# KiCad board PMK_Keyboard_HW01.kicad_pcb (continued)
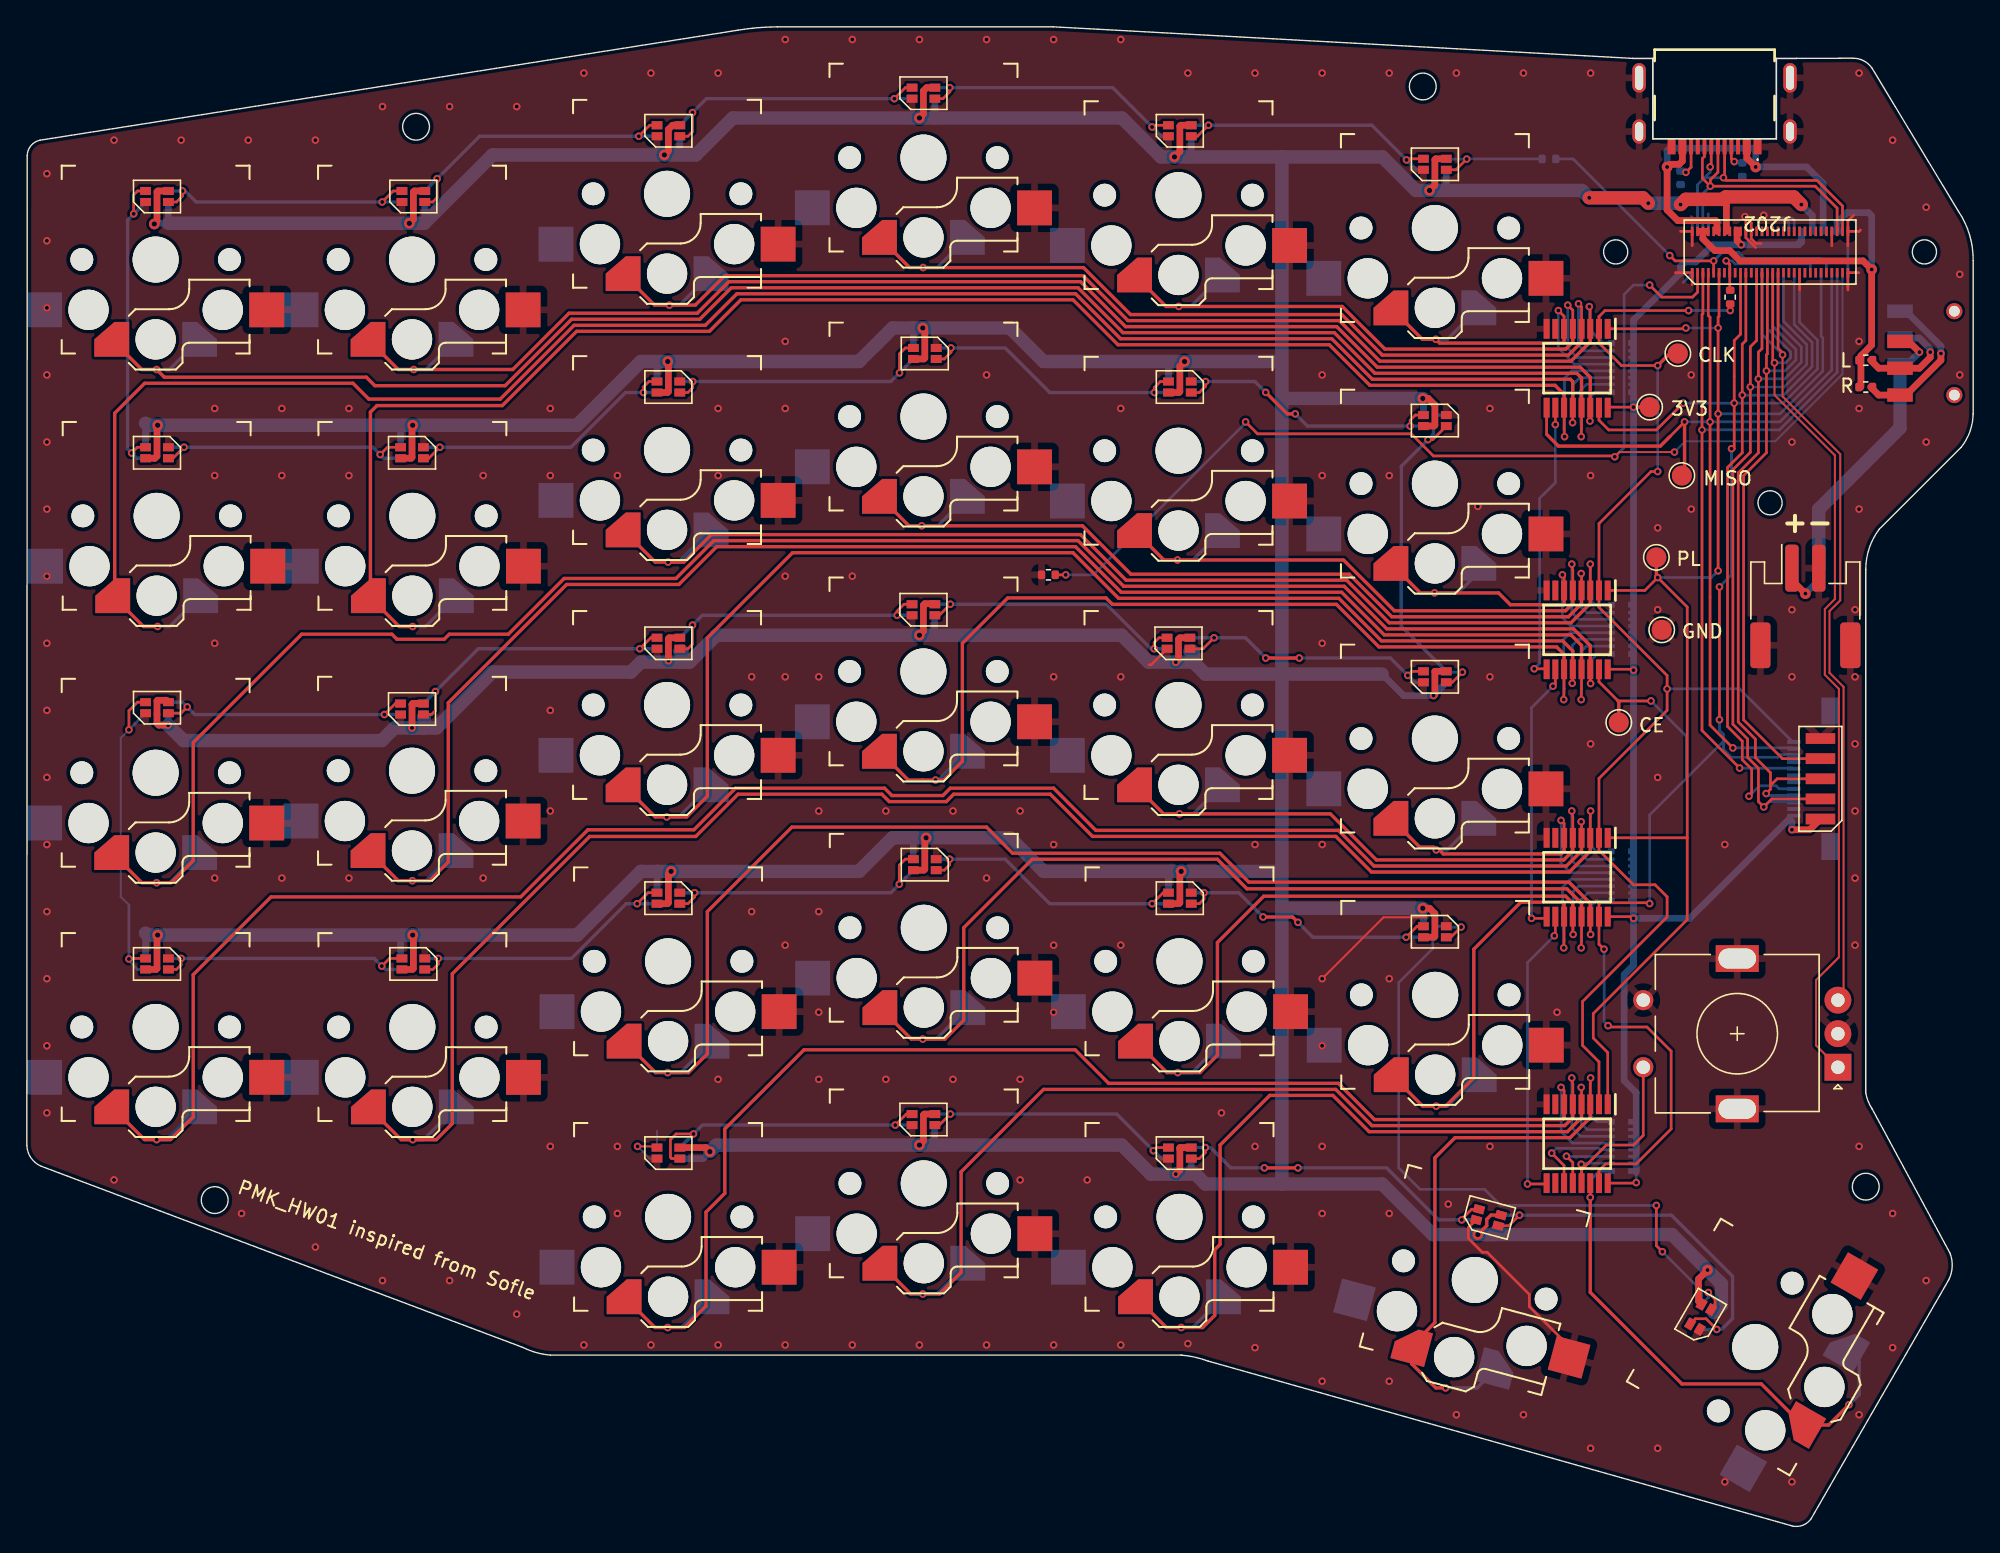
[diagram p0: board, top side]
## Routing (per net, layer and track width the routed paths; a pad name or vN(x,y) marks a point on that pad's centre or on a via; arc(x,y) is an arc through that point)
+3V3: length 112
  Top w0.2: v1(119.69,63.8) 119.63,63.87 U402.16 ; U401.16 117.81,83.4 v1(119.69,83.4) ; 127.51,96.5 127.51,95.71 v1(127.71,95.5) ; U404.16 119.86,25.57 v1(119.89,25.6) ; v1(119.69,45.3) 119.57,45.43 U403.16
  Top w0.25: TP201.1 v1(119.69,83.4)
  Top w0.5: 127.41,96.6 127.41,95.81 v1(127.71,95.5) ; v1(131.49,51.9) 132.82,51.9 J304.1
  Bottom w0.15: 131.66,95.5 132.06,95.91 132.06,96.51
  Bottom w0.2: v1(119.89,25.6) 119.89,26.7
  Bottom w0.5: v1(131.49,51.9) 131.49,52.5 131.29,52.71 123.88,45.3 v1(119.69,45.3) ; v1(119.69,45.3) 119.69,41.8 118.99,41.1 118.99,33.2 119.89,32.3 119.89,26.4 ; v1(119.69,45.3) v1(119.69,63.8) v1(119.69,83.4) 119.69,89.9 123.19,93.4 123.19,93.91 123.51,94.23 124.32,94.23 125.59,95.5 131.99,95.5 132.2,95.71 132.21,95.71 132.21,96.5
/VBAT: length 31.8
  Top w0.5: 124.86,96.51 124.86,95.96 125.74,95.08 126.86,95.08 127.63,94.3 136.79,94.3 v2(137.43,93.66) 137.43,88.03 136.63,87.23 136.63,84.9 ; 124.86,96.51 124.61,96.51 ; 124.86,96.51 125.11,96.51
  Bottom w0.5: 134.86,96.51 134.86,97.17 135.59,97.9 137.19,97.9 137.43,97.66 v2(137.43,93.66) ; 134.86,96.51 135.11,96.51 ; 134.86,96.51 134.61,96.51
GND: length 60.9
  Top w0.15: 104.27,45.38 101.07,45.38 v1(96.49,40.8)
  Top w0.2: 135.66,96.51 135.66,97.27 136.09,97.7 ; 135.66,96.51 135.66,95.44 ; 135.66,96.51 136.5,96.51 136.59,96.6 ; 134.46,96.51 134.46,95.44 ; D514.1 83.75,64.2 83.59,64.2 ; 124.06,92.54 124.06,93.43 122.82,93.43 ; 124.06,95.44 124.06,96.51 123.2,96.51 ; SW428.2 114.89,13.41 111.93,16.37 111.93,17.27 108.79,20.41 108.43,20.41 107.39,21.45 107.39,22.25 D526.1 ; 136.47,93.43 135.66,93.43 135.66,92.14 ; 128.79,95.3 128.06,96.04 128.06,97.54 v1(127.99,97.6) 128.46,97.14 128.46,95.96 128.81,95.6 129.19,95.6 ; 132.06,93.43 132.06,92.14
  Bottom w0.15: D529.1 46.94,29.45
  Bottom w0.2: 130.49,97.5 130.91,97.5 131.26,97.16 131.26,96.51 ; 124.06,92.57 124.06,93.43 124.06,93.37 123.39,92.7 ; 125.26,96.51 125.26,97.16 126.19,97.16 ; 125.26,96.51 125.26,97.06 ; 125.26,96.51 125.26,97.8 ; 135.66,93.43 135.66,92.27 ; 135.66,93.43 135.66,96.51 ; 135.66,93.43 136.37,93.43 ; 127.66,93.43 127.66,92.14 ; 131.66,96.51 131.66,97.34 131.49,97.5 ; 124.06,96.51 124.06,95.47 ; 124.06,96.51 124.06,97.54 123.99,97.6 ; 124.06,96.51 123.3,96.51
  vias: v1(1.49,100.8) v1(1.49,95.8) v1(1.49,90.8) v1(1.49,85.8) v1(1.49,80.8) v1(1.49,75.8) v1(1.49,70.8) v1(1.49,65.8) v1(1.49,60.8) v1(1.49,55.8) v1(1.49,50.8) v1(1.49,45.8) v1(1.49,40.8) v1(1.49,35.8) v1(1.49,30.8) v1(6.49,103.3) v1(6.49,25.8) v1(11.49,103.3) v1(13.99,83.3) v1(13.99,78.3) v1(13.99,65.8) v1(13.99,48.3) v1(15.99,23.3) v1(16.49,103.3) v1(18.99,83.3) v1(18.99,78.3) v1(18.99,48.3) v1(21.49,103.3) v1(21.49,20.8) v1(23.99,83.3) v1(23.99,78.3) v1(23.99,48.3) v1(26.49,105.8) v1(26.49,18.3) v1(31.49,105.8) v1(31.49,18.3) v1(33.99,78.3) v1(33.99,48.3) v1(36.49,105.8) v1(36.49,15.8) v1(38.99,83.3) v1(38.99,78.3) v1(38.99,60.8) v1(38.99,53.3) v1(38.99,28.3) v1(41.49,108.3) v1(41.49,13.5) v1(43.99,78.3) v1(43.99,28.3) v1(43.99,23.3) v1(46.49,108.3) v1(46.49,13.5) v1(51.49,108.3) v1(51.49,83.3) v1(51.49,78.3) v1(51.49,33.3) v1(51.49,13.5) v1(53.99,63.3) v1(53.99,45.8) v1(56.49,110.8) v1(56.49,88.3) v1(56.49,83.3) v1(56.49,70.8) v1(56.49,63.3) v1(56.49,43.3) v1(56.49,13.5) v1(58.99,63.3) v1(58.99,53.3) v1(58.99,45.8) v1(58.99,38.3) v1(58.99,33.3) v1(61.49,110.8) v1(61.49,70.8) v1(61.49,13.5) v1(63.99,53.3) v1(63.99,33.3) v1(66.49,110.8) v1(66.49,13.5) v1(68.99,53.3) v1(68.99,33.3) v1(71.49,110.8) v1(71.49,85.8) v1(71.49,48.3) v1(71.49,13.5) v1(73.99,53.3) v1(73.99,33.3) v1(73.99,25.8) v1(76.49,110.8) v1(76.49,63.3) v1(76.49,50.8) v1(76.49,43.3) v1(76.49,38.3) v1(76.49,13.5) v1(78.99,25.8) v1(81.49,110.8) v1(81.49,83.3) v1(81.49,63.3) v1(81.49,43.3) v1(81.49,13.5) v1(86.49,108.3) v1(86.49,13.6) v1(88.99,30.8) v1(91.49,108.3) v1(91.49,50.8) v1(91.49,28.3) v1(91.49,13.3) v1(96.49,108.3) v1(96.49,85.8) v1(96.49,78.3) v1(96.49,65.8) v1(96.49,50.8) v1(96.49,35.8) v1(96.49,28.3) v1(96.49,23.3) v1(96.49,10.8) v1(101.49,108.3) v1(101.49,78.3) v1(101.49,40.8) v1(101.49,23.3) v1(101.49,10.8) v1(105.89,24) v1(106.49,108.3) v1(106.49,8.3) v1(108.09,76) v1(108.99,83.3) v1(108.99,63.3) v1(108.99,28.3) v1(111.49,108.3) v1(111.49,8.3) v1(113.99,38.3) v1(116.49,108.3) v1(116.49,78.3) v1(116.49,58.3) v1(116.49,5.8) v1(121.49,74.4) v1(121.49,68.3) v1(121.49,55.8) v1(121.49,5.8) v1(123.99,85.8) v1(123.99,75.8) v1(126.49,50.8) v1(126.49,3.3) v1(129.39,97.7) v1(131.49,80.8) v1(131.49,68.3) v1(131.49,63.3) v1(131.49,3.3) v1(136.19,68.3) v1(136.19,63.3) v1(136.19,58.3) v1(136.19,53.3) v1(136.19,48.3) v1(136.19,43.3) v1(136.49,108.3) v1(136.49,88.3) v1(136.49,83.3) v1(136.49,75.8) v1(136.49,28.3) v1(136.49,8.3) v1(138.99,103.3) v1(138.99,23.3) v1(138.99,13.3) v1(141.49,98.3) v1(141.49,80.8) v1(141.49,18.3) v1(143.99,93.3) v1(143.99,85.8)
VBUS: length 30.4
  Top w0.5: 125.91,96.5 125.91,97.21 125.81,97.31 122.99,97.31 122.19,98.1 v2(122.19,101.3) 122.39,101.5 123.09,101.5 123.33,101.75 J303.A9 ; v2(128.79,101.3) 128.13,101.97 J303.A4
  Bottom w0.5: v2(122.19,101.3) 122.19,102.5 122.39,102.7 128.59,102.7 128.79,102.5 v2(128.79,101.3) 132.59,101.3 133.81,100.09 133.81,96.5
VDD: length 724.4
  Top w0.25: v3(108.09,21.74) 108.76,22.4 108.76,22.87 109.07,23.18 D526.2
  Top w0.5: 126.61,96.5 126.61,98.49 126.59,98.5 ; v3(50.88,27.91) 50.58,28.21 D529.2 ; v1(10.52,59.7) 9.83,59.7 9.69,59.84 9.69,61.5 9.74,61.55 10.4,61.55 D518.2 ; v3(47.99,48.8) 47.79,48.6 47.79,46.46 47.72,46.39 D521.2 ; D513.2 104.9,63.71 104.89,63.7 104.89,62 v1(104.79,61.9) ; v3(47.74,86.8) 47.79,86.75 47.79,84.56 47.72,84.49 D509.2 ; 28.69,61.25 28.75,61.31 D517.2 28.76,61.31 28.69,61.24 v1(28.69,59.49) ; D525.2 124.54,16.78 124.54,18.42 v2(125.21,19.09) ; D502.2 85.96,104.41 85.89,104.34 85.89,102.45 v3(85.49,102.05) ; v1(85.59,64.39) 85.79,64.59 85.79,66.1 85.9,66.21 D514.2 ; 85.89,28.2 85.9,28.21 D527.2 85.96,28.21 85.89,28.14 85.89,26.54 v1(85.59,26.24) ; D528.2 66.86,30.71 66.79,30.64 66.79,28.7 v3(66.49,28.4) ; v3(28.49,97.1) 28.79,97.4 28.79,99.44 28.86,99.51 D505.2 ; v3(85.99,48.8) 85.89,48.7 85.89,46.46 85.82,46.39 D523.2 ; D519.2 9.62,41.49 9.69,41.56 9.69,44 v3(9.74,44.05) ; D508.2 28.62,79.59 28.69,79.66 28.69,82 v3(28.74,82.05) ; D512.2 104.82,81.99 104.89,82.06 104.89,83.56 104.4,84.05 v3(103.99,84.05) ; v3(66.49,66.4) 66.79,66.7 66.79,68.64 66.9,68.75 67.6,68.75 D515.2 ; v3(66.49,104.95) 66.79,105.25 66.79,106.98 67.03,107.21 D503.2 ; v3(103.99,46.05) 104.49,46.05 104.89,45.65 104.89,43.96 104.82,43.89 D524.2 ; v3(66.99,51.3) 66.89,51.2 66.89,48.96 66.82,48.89 D522.2 ; D504.2 48.1,104.41 47.79,104.1 47.79,102.5 v3(47.49,102.2) ; v3(9.49,97.05) 9.69,97.25 9.69,99.44 9.76,99.51 D506.2 ; D501.2 104.96,101.91 104.89,101.84 104.89,99.95 v3(104.49,99.55) ; D511.2 85.82,84.49 85.89,84.56 85.89,86.45 v3(86.24,86.8) ; v1(47.79,64.5) 47.79,66.14 47.86,66.21 D516.2 ; D520.2 28.72,41.49 28.79,41.56 28.79,44 v3(28.74,44.05) ; v3(66.74,89.3) 66.89,89.15 66.89,87.06 66.82,86.99 D510.2 ; D507.2 9.53,79.59 9.69,79.75 9.69,82 v3(9.74,82.05)
  Top w1: v2(123.19,98.5) 123.58,98.89 126.41,98.89 126.41,98.92 126.56,99.07 131.63,99.07 v2(132.19,98.5) ; v2(116.39,99) 120.39,99 v2(120.79,98.6)
  Bottom w0.5: v1(10.52,59.7) 10.52,60.57 D518.2 ; 8.84,42.41 8.84,44.2 ; 27.99,44.05 27.84,43.9 27.84,42.41 ; 46.99,48.8 46.94,48.75 46.94,47.31 ; 100.96,63.5 102.56,61.9 v1(104.79,61.9) 104.79,61.94 D513.2 ; 67.62,66.4 67.62,67.87 D515.2 ; 87.06,26.24 86.74,26.55 D527.2 ; D506.2 10.54,97.1 9.54,97.1 v3(9.49,97.05) ; 104.04,44.81 104.04,46 v3(103.99,46.05) ; v3(50.88,27.91) 50.36,27.39 D529.2 ; D508.2 27.84,81.9 27.99,82.05 ; D501.2 105.74,99.55 ; D503.2 67.64,104.95 ; D511.2 85.04,86.6 85.24,86.8 ; 85.04,47.31 85.04,48.6 85.24,48.8 ; 65.99,51.3 66.04,51.25 66.04,49.81 ; D512.2 104.04,84 v3(103.99,84.05) ; D502.2 86.74,102.05 ; 46.99,86.8 46.94,86.75 D509.2 ; 67.62,29.84 67.62,28.4 ; D505.2 29.64,97.15 ; 29.62,60.41 D517.2 ; D507.2 8.84,82.2 ; 65.99,89.3 66.04,89.25 D510.2 ; 133.01,96.5 133.01,97.69 v2(132.19,98.5) ; 48.62,65.37 D516.2 ; D504.2 48.64,102.2
  Bottom w1: 108.74,21.74 109.26,21.74 109.61,22.09 ; 108.74,21.74 v3(108.09,21.74) 104.73,21.74 100.96,25.5 93.49,25.5 ; 108.74,21.74 122.56,21.74 v2(125.21,19.09) 126.24,18.05 126.24,16.48 125.69,15.92 ; v3(103.99,46.05) 93.49,46.05 ; 93.49,46.05 93.49,25.5 ; 93.49,46.05 93.49,102.05 ; 93.49,25.5 87.79,25.5 87.06,26.24 v1(85.59,26.24) 83.73,26.24 81.56,28.4 v3(66.49,28.4) 51.37,28.4 v3(50.88,27.91) ; 93.44,48.8 v3(85.99,48.8) 75.74,48.8 73.24,51.3 v3(66.99,51.3) 64.49,51.3 61.99,48.8 v3(47.99,48.8) 45.74,48.8 40.99,44.05 v3(28.74,44.05) v3(9.74,44.05) 8.99,44.05 8.84,44.2 ; 86.9,64.39 87.79,63.5 100.96,63.5 ; 86.9,64.39 86.9,65.13 86.82,65.21 86.64,65.21 ; 86.9,64.39 v1(85.59,64.39) 83.57,64.39 81.56,66.4 v3(66.49,66.4) 51.37,66.4 49.36,64.39 48.79,64.39 ; 93.49,102.05 100.98,102.05 103.48,99.55 v3(104.49,99.55) 115.84,99.55 v2(116.39,99) ; 93.49,102.05 v3(85.49,102.05) 84.48,102.05 81.58,104.95 v3(66.49,104.95) 52.59,104.95 49.84,102.2 v3(47.49,102.2) 34.69,102.2 29.59,97.1 v3(28.49,97.1) 10.54,97.1 ; 29.59,59.49 29.59,60.31 29.54,60.31 ; 29.59,59.49 27.38,59.49 26.44,58.55 11.67,58.55 v1(10.52,59.7) ; 29.59,59.49 30.51,59.49 34.67,63.65 44.99,63.65 45.73,64.39 48.79,64.39 ; 29.59,59.49 v1(28.69,59.49) ; 48.79,64.39 48.79,65.21 48.64,65.21 ; v2(123.19,98.5) 123.09,98.6 v2(120.79,98.6) ; v3(103.99,84.05) 93.54,84.05 ; 8.84,82.2 8.99,82.05 v3(9.74,82.05) v3(28.74,82.05) 40.99,82.05 45.74,86.8 v3(47.74,86.8) 61.99,86.8 64.49,89.3 v3(66.74,89.3) 73.24,89.3 75.74,86.8 v3(86.24,86.8) 93.44,86.8
/200- PSoM/A: length 72.9
  Top w0.127: 134.69,42.1 134.98,42.39
  Top w0.15: v1(130.19,86.7) 130.19,84.31 134.69,79.81 134.69,69.1 133.94,68.35 133.94,63.45 134.99,62.41 134.99,42.4 134.09,41.5 ; SW430.A 133.29,35.83 133.29,40.7 134.09,41.5 ; 134.69,42.1 134.09,41.5
  Top w0.2: v1(130.19,86.7) 130.06,86.84 130.06,93.43
  Bottom w0.2: v1(130.19,86.7) 131.01,86.7 131.39,87.08 131.39,87.53 129.81,89.1 129.79,89.1 129.66,89.24 129.66,93.43
/200- PSoM/B: length 63.8
  Top w0.15: v1(130.79,87.3) 130.79,84.2 135.09,79.9 135.09,69 134.29,68.2 134.29,63.6 135.34,62.55 135.34,39.63 SW430.B
  Top w0.2: 130.46,93.43 130.46,87.8 130.79,87.47 v1(130.79,87.3)
  Bottom w0.2: 129.26,93.43 129.26,88.84 v1(130.79,87.3)
/200- PSoM/BATTERY_TEMP: length 95.5
  Top w0.15: v1(122.74,80.05) 118.64,80.05 v1(118.29,79.7)
  Top w0.2: v1(120.89,92.5) 121.79,91.6 124.09,91.6 124.46,91.97 124.46,93.43 ; TH201.1 v1(77.39,70.9) ; v1(118.29,79.7) 118.23,79.77 104.78,79.77 103.13,81.41 91.68,81.41 v1(90.79,82.3)
  Bottom w0.15: v1(122.74,80.05) 123.55,80.86 130.25,80.86 135.26,85.88 135.26,93.43
  Bottom w0.2: TH202.1 v1(77.39,70.9) 79.46,70.9 90.79,82.24 v1(90.79,82.3) ; v1(118.29,79.7) 118.99,80.4 118.99,91.8 119.69,92.5 v1(120.89,92.5)
/200- PSoM/D+: length 21.8
  Top w0.2: 134.86,96.51 134.86,98.24 133.23,99.87 v1(125.42,99.87) ; v1(125.42,99.87) 125.42,100.35 125.98,100.91 J303.A6 ; v1(125.42,99.87) 124.82,100.47 124.82,101.93 124.98,102.09 J303.B6
  Bottom w0.2: v1(125.42,99.87) 124.86,99.32 124.86,96.51
/200- PSoM/D-: length 22.1
  Top w0.2: v1(125.4,101.3) 125.48,101.38 J303.A7 ; J303.B7 126.48,100.59 v1(126.39,100.5) 126.59,100.3 133.36,100.3 135.26,98.4 135.26,96.51
  Bottom w0.2: 124.99,100.5 125.4,100.91 v1(125.4,101.3) ; 124.99,100.5 v1(126.39,100.5) ; 124.99,100.5 124.46,99.97 124.46,96.51
/200- PSoM/GP_CE: length 57.8
  Top w0.2: v1(128.29,54.4) 128.49,54.6 128.49,56.43 127.79,57.13 127.79,58.5 126.69,59.6 126.69,78.9 127.79,80 v1(127.79,84.3) 127.79,88.1 128.06,88.37 128.06,93.43
  Bottom w0.2: 131.66,93.43 131.66,89.57 132.99,88.24 132.99,86.42 130.88,84.3 v1(127.79,84.3) ; v1(128.29,54.4) 129.07,55.18 130.32,55.18 130.54,54.95 J305.8
/200- PSoM/INT: length 50.7
  Top w0.2: 129.66,93.43 129.66,87.37 129.59,87.3 129.59,80 127.89,78.3 127.89,60.1 130.79,57.2 J304.4
  Bottom w0.2: v1(129.59,86.1) 130.98,86.1 131.79,86.92 131.79,87.7 130.06,89.44 130.06,93.43
/200- PSoM/LED_MOSI: length 9
  Top w0.2: v1(107.26,101.89) 106.46,101.09 D501.3
  Bottom w0.2: D501.3 105.76,101.89 v1(107.26,101.89) 107.27,101.9 R201.2
/200- PSoM/LED_MOSI_ESP: length 25.4
  Top w0.2: 125.66,93.43 v1(125.66,94.3) 122.79,94.3 v1(122.39,94.7)
  Bottom w0.2: v1(125.66,94.3) 126.28,94.93 127.55,94.93 127.99,94.48 133.66,94.48 134.06,94.08 134.06,93.43 ; v1(122.39,94.7) 115.19,101.9 R201.1
/200- PSoM/PL: length 106.9
  Top w0.2: U404.1 117.77,35.3 116.69,36.38 116.69,38.2 123.69,45.2 123.69,51.3 ; U402.1 120.53,69.74 v1(121.49,70.7) 123.69,68.5 123.69,51.3 ; v1(123.59,89.3) 123.53,89.24 U401.1 ; 126.06,93.43 126.06,90.17 125.99,90.1 v1(125.99,89.3) v1(125.99,82.9) v1(125.99,71.2) ; 123.69,51.3 U403.1
  Top w0.25: 121.39,72.3 121.39,70.8 v1(121.49,70.7)
  Bottom w0.2: v1(125.99,82.9) 130.61,82.9 133.79,86.09 133.79,88.57 133.66,88.7 133.66,93.43 ; v1(123.59,89.3) v1(125.99,89.3) ; v1(121.49,70.7) 125.49,70.7 v1(125.99,71.2)
/200- PSoM/SCL: length 58
  Top w0.2: 129.89,55.4 129.89,54.92 v1(129.57,54.6) ; 129.89,55.4 129.89,56.16 128.77,57.28 128.77,58.66 127.49,59.94 127.49,78.5 128.99,80 v1(128.99,85.5) 128.99,87.5 129.26,87.77 129.26,93.43 ; 129.89,55.4 129.89,55.2 130.39,55.7 J304.3
  Bottom w0.2: 130.46,93.43 130.46,89.64 132.19,87.9 132.19,86.75 130.95,85.5 v1(128.99,85.5) ; v1(129.57,54.6) 129.72,54.45 J305.9
/200- PSoM/SDA: length 60.9
  Top w0.2: 128.39,85.1 128.39,87.9 128.86,88.37 128.86,93.43 ; 128.39,85.1 128.39,80.04 127.09,78.74 127.09,59.77 128.19,58.67 128.19,57.29 128.99,56.49 128.99,54 v1(129.39,53.6) 129.99,54.2 J304.2 ; 128.39,85.1 v1(128.39,84.9)
  Bottom w0.2: 131.49,54 129.79,54 v1(129.39,53.6) ; v1(128.39,84.9) 130.91,84.9 132.59,86.59 132.59,88.07 130.86,89.8 130.86,93.43
/200- PSoM/SPI_CLK: length 97.8
  Top w0.2: U404.2 117.12,34.6 115.89,35.83 115.89,39.1 122.19,45.4 122.19,46.9 121.29,47.8 119.68,47.8 117.12,50.37 U403.2 117.12,55.73 122.19,60.8 122.19,63.4 117.12,68.48 U402.2 117.12,74.73 120.99,78.6 v1(121.49,78.6) ; R202.2 v1(126.89,90.6) ; v1(123.79,90.6) 117.57,90.6 117.12,90.16 U401.2 117.12,88.18 118.79,86.5 v1(121.49,86.5)
  Top w0.25: TP204.1 122.39,87.4 v1(121.49,86.5)
  Bottom w0.2: v1(121.49,78.6) v1(121.49,86.5) ; v1(122.19,62.4) 127.59,62.4 131.49,58.5 ; v1(126.89,90.6) v1(123.79,90.6)
/200- PSoM/SPI_CLK_ESP: length 9.3
  Top w0.2: v1(126.59,94.3) 126.86,94.04 126.86,92.15 R202.1
  Bottom w0.2: v1(126.59,94.3) 127.04,94.3 127.26,94.08 132.86,94.08 132.86,93.43
/200- PSoM/SPI_MISO: length 77.9
  Top w0.2: 122.39,81.2 v1(123.49,82.3) ; 125.26,93.43 125.26,90.24 125.39,90.1 v1(125.39,82.3) 125.39,59.7 v1(127.09,58) ; U401.9 113.22,81.38
  Top w0.25: TP205.1 123.49,78.5 v1(123.49,82.3) ; 122.39,81.2 121.69,80.5 114.09,80.5 113.22,81.38
  Bottom w0.2: 134.46,93.43 134.46,86.17 130.59,82.3 v1(125.39,82.3) v1(123.49,82.3) ; v1(127.09,58) 131.49,58
/200- PSoM/SPI_MOSI: length 61.3
  Top w0.2: v1(127.59,56.5) 124.79,59.3 v1(124.79,81.7) 124.79,90.3 124.86,90.37 124.86,93.43
  Bottom w0.2: v1(124.79,81.7) 130.56,81.7 134.86,86.01 134.86,93.43 ; v1(127.59,56.5) 131.49,56.5
/200- PSoM/SR_CE: length 129.5
  Top w0.2: 127.66,93.43 127.66,88.84 127.19,88.37 127.19,83.9 ; v1(120.99,61.5) 118.54,61.5 117.12,62.93 U402.15 ; v1(117.49,43) 117.12,43.38 U403.15 117.12,46.37 117.22,46.47 120.83,46.47 v1(120.89,46.4) ; 127.19,83.9 127.19,80.3 v1(126.99,80.3) ; 127.19,83.9 v1(127.19,83.7) ; U404.15 117.12,26.5 117.62,27 119.89,27 122.49,29.6 122.49,35.4 120.69,37.2 117.89,37.2 v1(117.79,37.3) ; U401.15 117.12,82.43 117.84,81.7 121.39,81.7 v1(123.39,83.7) ; v1(126.09,70) v1(126.09,60.1)
  Top w0.25: 118.54,61.5 118.59,61.45 TP203.1
  Bottom w0.2: 131.49,57.5 130.63,57.5 130.43,57.3 126.97,57.3 126.39,57.88 126.39,58.5 ; v1(126.09,60.1) 126.09,59.3 126.39,59 126.39,58.5 ; v1(117.49,43) 117.49,37.6 v1(117.79,37.3) ; 126.39,58.5 123.64,55.75 ; v1(126.99,80.3) 126.99,70.9 v1(126.09,70) ; 123.64,55.75 123.64,58.85 v1(120.99,61.5) ; 123.64,55.75 120.89,53 v1(120.89,46.4) ; v1(123.39,83.7) v1(127.19,83.7) 130.84,83.7 133.39,86.26 133.39,88.4 132.06,89.73 132.06,93.43
/300- Connectors/CC1: length 2.5
  Top w0.2: J303.A5 126.98,101.92 v1(127.19,101.7)
  Bottom w0.2: R304.1 127.28,101.61 v1(127.19,101.7) 127.51,101.7 127.79,101.42
/300- Connectors/CC2: length 2.9
  Top w0.2: v1(123.59,100.9) 123.98,101.29 J303.B5
  Bottom w0.2: 123.19,100.82 123.51,100.82 v1(123.59,100.9) 123.48,101.01 R303.1
/400- Shift Register - Switch/1: length 28
  Top w0.2: U401.6 114.52,90.18 v1(114.09,90.6)
  Top w0.25: U401.6 114.52,88.26 114.44,88.18 105.25,88.18 v1(104.97,88.46) 103.96,88.46 SW401.1
  Bottom w0.2: RN401.13 115.29,86.6 114.09,87.8 v1(114.09,90.6)
  Bottom w0.25: SW401.1 105.82,88.46 v1(104.97,88.46)
/400- Shift Register - Switch/1-2: length 21.1
  Top w0.2: U401.10 v1(113.87,82.1) ; v1(112.29,63.9) 113.18,63.9 U402.9
  Bottom w0.2: v1(113.87,82.1) 113.87,77.78 112.69,76.6 112.69,64.3 v1(112.29,63.9)
/400- Shift Register - Switch/2: length 49
  Top w0.2: U401.5 115.17,90.63 v1(114.79,91)
  Top w0.25: U401.5 115.17,88.26 114.64,87.73 101.17,87.73 97.99,90.91 v1(85.82,90.91) 84.86,90.91 SW402.1
  Bottom w0.2: v1(114.79,91) 114.79,87.8 115.49,87.1 RN401.14
  Bottom w0.25: SW402.1 86.72,90.91 v1(85.82,90.91)
/400- Shift Register - Switch/2-3: length 20.5
  Top w0.2: U402.10 113.87,62.78 v1(113.69,62.6) ; U403.9 113.1,45.3 v1(112.09,45.3)
  Bottom w0.2: v1(112.09,45.3) 112.09,61 v1(113.69,62.6)
/400- Shift Register - Switch/3: length 69.2
  Top w0.2: v1(115.59,91.1) 115.82,90.88 U401.4
  Top w0.25: U401.4 115.82,88.26 114.84,87.28 100.98,87.28 97.96,90.3 82.22,90.3 78.72,93.8 66.77,93.8 v1(66.77,93.81) 65.76,93.81 SW403.1
  Bottom w0.2: v1(115.59,91.1) 115.59,88 115.99,87.6 RN401.15
  Bottom w0.25: SW403.1 67.82,93.81 v1(66.77,93.81)
/400- Shift Register - Switch/3-4: length 22.2
  Top w0.2: U404.9 113.16,25.5 v1(111.79,25.5) ; U403.10 113.87,44.08 v1(113.79,44)
  Bottom w0.2: v1(111.79,25.5) 111.79,42 v1(113.79,44)
/400- Shift Register - Switch/4: length 87.7
  Top w0.2: v1(116.4,90.9) 116.47,90.83 U401.3
  Top w0.25: SW404.1 46.76,91.01 v1(47.87,91.01) 49.8,91.01 51.99,93.2 78.68,93.2 82.03,89.85 97.77,89.85 100.8,86.83 115.03,86.83 116.37,88.17 116.37,88.16 116.47,88.26 U401.3
  Bottom w0.2: v1(116.4,90.9) 116.4,89.2 117.41,88.19 RN401.16
  Bottom w0.25: SW404.1 48.62,91.01 v1(47.87,91.01)
/400- Shift Register - Switch/5: length 108.5
  Top w0.2: v1(116.45,82.37) 116.47,82.39 U401.14
  Top w0.25: U401.14 116.47,85.63 115.72,86.38 100.61,86.38 97.59,89.4 81.85,89.4 78.5,92.75 52.29,92.75 49.94,90.4 40.39,90.4 36.2,86.21 v1(28.82,86.21) 27.66,86.21 SW405.1
  Bottom w0.2: RN401.9 116.81,84.52 116.45,84.16 v1(116.45,82.37)
  Bottom w0.25: SW405.1 29.72,86.21 v1(28.82,86.21)
/400- Shift Register - Switch/6: length 131.2
  Top w0.2: U401.13 115.82,81.85 v1(115.79,81.2)
  Top w0.25: SW406.1 8.56,86.21 v1(9.67,86.21) 10.24,85.63 25.29,85.63 25.92,85 35.63,85 40.58,89.95 50.13,89.95 52.48,92.3 78.31,92.3 81.66,88.95 97.4,88.95 100.42,85.93 115.47,85.93 115.82,85.58 U401.13
  Bottom w0.2: v1(115.79,81.2) 115.74,84.65 116.19,85.1 RN401.10
  Bottom w0.25: v1(9.67,86.21) 10.62,86.21 SW406.1
/400- Shift Register - Switch/7: length 147.1
  Top w0.2: v1(115.15,82.25) 115.17,82.26 U401.12
  Top w0.25: U401.12 115.17,85.31 114.99,85.48 100.24,85.48 97.21,88.5 81.47,88.5 78.12,91.85 52.89,91.85 50.54,89.5 40.77,89.5 35.27,84 25.47,84 24.29,85.18 8.77,85.18 6.55,82.96 6.55,69.5 SW407.1 8.69,67.05 v1(9.74,67.05)
  Bottom w0.2: v1(115.15,82.25) 115.15,85.06 115.69,85.6 RN401.11
  Bottom w0.25: SW407.1 10.65,67.05 v1(9.74,67.05)
/400- Shift Register - Switch/8: length 128.7
  Top w0.2: U401.11 114.52,81.81 v1(114.55,81.2)
  Top w0.25: U401.11 114.52,84.35 113.84,85.03 100.05,85.03 97.03,88.05 81.29,88.05 77.94,91.4 53.19,91.4 50.84,89.05 40.95,89.05 35.42,83.52 26.08,83.52 25.6,83.04 25.6,69.5 SW408.1 27.74,67.05 v1(28.74,67.05)
  Bottom w0.2: RN401.12 115.09,86.1 114.55,85.56 v1(114.55,81.2)
  Bottom w0.25: SW408.1 29.7,67.05 v1(28.74,67.05)
/400- Shift Register - Switch/9: length 27.5
  Top w0.2: v1(114.39,70.9) 114.52,70.78 U402.6
  Top w0.25: SW409.1 103.81,69.56 v1(104.87,69.56) 109.64,69.56 110.52,68.68 114.44,68.68 114.52,68.76 U402.6
  Bottom w0.2: RN402.13 115.01,67.09 114.39,67.7 v1(114.39,70.9)
  Bottom w0.25: v1(104.87,69.56) 106.62,69.56 108.17,71.11
/400- Shift Register - Switch/10: length 49.3
  Top w0.2: v1(115.09,71.7) 115.17,71.23 U402.5
  Top w0.25: SW410.1 84.71,72.01 v1(85.72,72.01) 98.09,72.01 101.87,68.23 114.63,68.23 115.07,68.67 115.07,68.66 115.17,68.76 U402.5
  Bottom w0.2: v1(115.09,71.7) 115.09,68.1 115.61,67.59 RN402.14
  Bottom w0.25: v1(85.72,72.01) 86.87,72.01 SW410.1
/400- Shift Register - Switch/11: length 67.9
  Top w0.2: U402.4 115.82,70.98 v1(115.79,71)
  Top w0.25: SW411.1 65.71,74.56 v1(66.67,74.56) 78.64,74.56 82.24,70.95 98.51,70.95 101.68,67.78 114.84,67.78 115.82,68.76 U402.4
  Bottom w0.2: RN402.15 116.21,68.09 115.79,68.5 v1(115.79,71)
  Bottom w0.25: SW411.1 67.87,74.56 v1(66.67,74.56)
/400- Shift Register - Switch/12: length 88.7
  Top w0.2: U402.3 116.47,71.34 v1(116.47,71.7)
  Top w0.25: U402.3 116.47,68.77 115.03,67.33 101.5,67.33 98.32,70.5 81.89,70.5 78.49,73.9 50.99,73.9 48.95,71.86 v1(47.77,71.86) 46.81,71.86 SW412.1
  Bottom w0.2: RN402.16 116.82,68.68 116.47,69.03 v1(116.47,71.7)
  Bottom w0.25: SW412.1 48.57,71.86 v1(47.77,71.86)
/400- Shift Register - Switch/13: length 140.8
  Top w0.2: v1(116.49,62.8) 116.47,62.83 U402.14
  Top w0.25: SW413.1 8.56,47.96 v1(9.67,47.96) 10.75,47.96 12.39,49.6 12.39,58.4 20.47,66.48 27.19,66.48 27.57,66.1 31.09,66.1 31.47,66.48 35.87,66.48 40.03,70.64 48.36,70.64 51.18,73.45 78.31,73.45 81.71,70.05 98.14,70.05 101.31,66.88 115.22,66.88 116.47,65.63 U402.14
  Bottom w0.2: RN402.9 116.99,65 116.49,64.5 v1(116.49,62.8)
  Bottom w0.25: SW413.1 10.62,47.96 v1(9.67,47.96)
/400- Shift Register - Switch/14: length 125.9
  Top w0.2: v1(115.79,61.6) 115.82,62.43 U402.13
  Top w0.25: U402.13 115.82,65.64 115.03,66.43 101.12,66.43 97.95,69.6 81.52,69.6 78.12,73 51.39,73 48.58,70.19 40.21,70.19 31.39,61.37 31.39,49.5 30,48.11 v1(28.72,48.11) 27.66,48.11 SW414.1
  Bottom w0.2: v1(115.79,61.6) 115.79,65.2 116.18,65.59 RN402.10
  Bottom w0.25: v1(28.72,48.11) 29.72,48.11 SW414.1
/400- Shift Register - Switch/15: length 102.5
  Top w0.2: U402.12 115.17,62.86 v1(115.13,62.82)
  Top w0.25: U402.12 115.17,65.23 114.42,65.98 100.92,65.98 97.74,69.15 81.34,69.15 77.94,72.55 57.04,72.55 50.69,66.2 50.69,54.4 49.15,52.86 v1(47.67,52.86) 46.81,52.86 SW415.1
  Bottom w0.2: v1(115.13,62.82) 115.13,65.64 115.58,66.09 RN402.11
  Bottom w0.25: SW415.1 48.57,52.86 v1(47.67,52.86)
/400- Shift Register - Switch/16: length 79.3
  Top w0.2: v1(114.49,61.6) 114.52,62.43 U402.11
  Top w0.25: U402.11 114.52,64.98 113.97,65.53 100.73,65.53 97.56,68.7 80.87,68.7 80.39,69.18 73.07,69.18 69.69,65.8 69.69,57 68.3,55.61 v1(67.69,55.61) 65.66,55.61 SW416.1
  Bottom w0.2: v1(114.49,61.6) 114.49,66.1 114.98,66.59 RN402.12
  Bottom w0.25: SW416.1 67.92,55.61 v1(67.69,55.61)
/400- Shift Register - Switch/17: length 27.9
  Top w0.2: U403.6 114.52,52.38 v1(114.29,52.6)
  Top w0.25: SW417.1 103.76,50.61 104.79,50.61 v1(104.99,50.4) 105.22,50.4 105.52,50.1 114.31,50.1 114.52,50.32 U403.6
  Bottom w0.2: v1(114.29,52.6) 114.29,49.4 114.99,48.7 RN403.13
  Bottom w0.25: v1(104.99,50.4) 105.82,50.4 SW417.1
/400- Shift Register - Switch/18: length 49.2
  Top w0.2: v1(115.09,53.3) 115.17,52.83 U403.5
  Top w0.25: U403.5 115.17,50.32 115.07,50.22 115.07,50.23 114.49,49.65 100.54,49.65 97.11,53.09 v1(85.87,53.09) 84.68,53.09 SW418.1
  Bottom w0.2: v1(115.09,53.3) 115.09,49.6 115.49,49.2 RN403.14
  Bottom w0.25: v1(85.87,53.09) 86.91,53.09 SW418.1
/400- Shift Register - Switch/19: length 142.1
  Top w0.2: v1(115.79,52.5) 115.82,52.48 U403.4
  Top w0.25: U403.4 115.82,50.32 115.72,50.22 115.72,50.23 114.69,49.2 100.36,49.2 97.7,51.86 79.64,51.86 76.49,55 68.79,55 68.24,54.45 64.44,54.45 63.89,55 52.79,55 49.69,51.9 41.79,51.9 36.79,46.9 18.19,46.9 12.39,41.1 12.39,30.5 10.7,28.81 v1(9.67,28.81) 8.76,28.81 SW419.1
  Bottom w0.2: RN403.15 116.19,49.7 115.79,50.1 v1(115.79,52.5)
  Bottom w0.25: v1(9.67,28.81) 10.42,28.81 SW419.1
/400- Shift Register - Switch/20: length 124.3
  Top w0.2: v1(116.49,53.3) 116.47,52.88 U403.3
  Top w0.25: U403.3 116.47,50.32 114.91,48.75 100.17,48.75 97.52,51.41 79.39,51.41 76.24,54.55 69.04,54.55 68.49,54 64.24,54 63.69,54.55 52.98,54.55 49.83,51.4 41.93,51.4 31.69,41.17 31.69,30 30.49,28.8 v1(28.74,28.8) 27.89,28.8 SW420.1
  Bottom w0.2: v1(116.49,53.3) 116.43,50.77 116.91,50.29 RN403.16
  Bottom w0.25: SW420.1 29.55,28.8 v1(28.74,28.8)
/400- Shift Register - Switch/21: length 99.5
  Top w0.2: U403.14 116.47,44.13 v1(116.49,44.1)
  Top w0.25: U403.14 116.47,46.42 114.88,48 91.03,48 88.88,50.15 73.44,50.15 71.49,52.1 56.99,52.1 50.69,45.8 50.69,35.2 49.29,33.8 v1(47.74,33.8) 46.84,33.8 SW421.1
  Bottom w0.2: RN403.9 116.91,46.62 116.49,46.2 v1(116.49,44.1)
  Bottom w0.25: SW421.1 48.7,33.8 v1(47.74,33.8)
/400- Shift Register - Switch/22: length 77.9
  Top w0.2: v1(115.79,43.1) 115.82,43.63 U403.13
  Top w0.25: SW422.1 65.89,36.3 v1(66.74,36.3) 68.39,36.3 69.79,37.7 69.79,44.6 74.89,49.7 88.69,49.7 90.89,47.5 114.73,47.5 115.82,46.42 U403.13
  Bottom w0.2: RN403.10 116.29,47.2 115.79,46.7 v1(115.79,43.1)
  Bottom w0.25: SW422.1 67.75,36.3 v1(66.74,36.3)
/400- Shift Register - Switch/23: length 57
  Top w0.2: U403.12 115.17,44.13 v1(115.19,44.1)
  Top w0.25: SW423.1 84.94,33.8 v1(85.74,33.8) 87.39,33.8 88.69,35.1 88.69,43.5 92.14,46.95 114.63,46.95 115.17,46.42 U403.12
  Bottom w0.2: v1(115.19,44.1) 115.19,47.3 115.59,47.7 RN403.11
  Bottom w0.25: SW423.1 86.8,33.8 v1(85.74,33.8)
/400- Shift Register - Switch/24: length 41.7
  Top w0.2: U403.11 114.52,43.63 v1(114.49,43.1)
  Top w0.25: U403.11 114.52,46.42 114.43,46.5 111.29,46.5 107.79,43 107.79,33.4 105.69,31.3 v1(104.99,31.3) 103.99,31.3 SW424.1
  Bottom w0.2: v1(114.49,43.1) 114.39,47.6 114.99,48.2 RN403.12
  Bottom w0.25: SW424.1 105.85,31.3 v1(104.99,31.3)
/400- Shift Register - Switch/25: length 102.7
  Top w0.2: v1(114.29,32.7) 114.52,32.48 U404.6
  Top w0.25: U404.6 114.52,30.46 114.37,30.3 100.39,30.3 97.69,33 80.59,33 78.09,35.5 57.89,35.5 52,29.61 52,24.81 50.59,23.4 50.59,16.4 48.99,14.8 v1(47.74,14.8) 46.79,14.8 SW425.1
  Bottom w0.2: v1(114.29,32.7) 114.29,29.4 115.14,28.55 RN404.13
  Bottom w0.25: v1(47.74,14.8) 48.75,14.8 SW425.1
/400- Shift Register - Switch/26: length 78.8
  Top w0.2: U404.5 115.17,32.93 v1(115.09,33.4)
  Top w0.25: U404.5 115.17,30.46 114.57,29.85 100.21,29.85 97.51,32.55 75.74,32.55 69.59,26.4 69.59,18.9 67.99,17.3 v1(66.74,17.3) 65.84,17.3 SW426.1
  Bottom w0.2: v1(115.09,33.4) 115.09,29.7 115.74,29.05 RN404.14
  Bottom w0.25: v1(66.74,17.3) 67.8,17.3 SW426.1
/400- Shift Register - Switch/27: length 61.6
  Top w0.2: U404.4 115.82,32.68 v1(115.79,32.7)
  Top w0.25: U404.4 115.82,30.46 114.77,29.4 99.99,29.4 97.29,32.1 92.59,32.1 88.89,28.4 88.89,21 88.49,20.6 88.49,15.7 87.59,14.8 v1(85.99,14.8) 84.89,14.8 SW427.1
  Bottom w0.2: RN404.15 116.24,29.55 115.79,30 v1(115.79,32.7)
  Bottom w0.25: SW427.1 86.85,14.8 v1(85.99,14.8)
/400- Shift Register - Switch/28: length 44
  Top w0.2: U404.3 116.47,32.98 v1(116.49,33.4)
  Top w0.25: v1(105.69,10.3) 104.97,10.3 103.17,12.1 SW428.1 104.89,15.18 104.89,27.45 106.39,28.95 114.97,28.95 116.47,30.46 U404.3
  Bottom w0.2: RN404.16 116.96,30.14 116.49,30.6 v1(116.49,33.4)
  Bottom w0.25: v1(105.69,10.3) 108.04,10.3 SW428.1
/400- Shift Register - Switch/29: length 40.1
  Top w0.2: U404.14 v1(116.47,24.5)
  Top w0.25: v1(116.47,24.5) 116.47,17.43 123.29,10.6 129.21,10.6 SW429.1 134.23,7.54 v1(135.74,9.05)
  Bottom w0.2: RN404.9 117.16,26.47 116.47,25.78 v1(116.47,24.5)
  Bottom w0.25: SW429.1 136.5,12.26 136.5,9.81 v1(135.74,9.05)
/400- Shift Register - Switch/30: length 15.8
  Top w0.2: 115.82,26.55 117.67,28.4 119.69,28.4 120.42,29.13 SW430.S2 ; 115.82,26.55 U404.13 115.82,26.95 ; 115.82,26.55 115.82,26.95 ; 115.82,26.95 v1(115.79,26.98)
  Bottom w0.2: RN404.10 115.87,27.05 v1(115.79,26.98)
/400- Shift Register - Switch/31: length 5.6
  Top w0.2: v1(114.69,27.58) 115.17,27.1 U404.12
  Bottom w0.2: v1(114.69,27.58) 114.72,27.55 RN404.11
/400- Shift Register - Switch/32: length 7.3
  Top w0.2: v1(113.59,27.8) 114.52,26.88 U404.11
  Bottom w0.2: v1(113.59,27.8) 113.94,28.15 117.11,28.15 117.21,28.05 RN404.12
/500- LEDs/LED_13_14: length 22.2
  Top w0.2: v1(88.44,66.21) 87.62,65.39 D514.3 ; v1(102.88,63.41) 103.18,63.71 D513.4
  Top w0.25: v1(92.29,64.7) v1(94.79,64.7)
  Bottom w0.25: v1(92.29,64.7) 90.78,66.21 D514.3 ; v1(94.79,64.7) 101.58,64.7 v1(102.88,63.41) 103.39,62.89 D513.4
/500- LEDs/LED_26_27: length 26.7
  Top w0.2: v1(87.79,28.21) 87.79,27.84 87.34,27.39 D527.3 ; D526.4 107.63,23.62 106.89,22.88 v1(106.89,22.83)
  Top w0.25: v1(94.69,26.7) v1(92.19,26.7)
  Bottom w0.25: v1(92.19,26.7) 89.69,26.7 88.18,28.21 v1(87.79,28.21) D527.3 ; D526.4 v1(106.89,22.83) 105.17,22.83 101.29,26.7 v1(94.69,26.7)
Net-(D501-DO): length 21.6
  Top w0.2: D502.3 87.2,103.59 v1(88.02,104.41) ; v1(102.78,101.83) 102.86,101.91 D501.4
  Bottom w0.25: D501.4 103.51,101.09 v1(102.78,101.83) 100.19,104.41 v1(88.02,104.41) D502.3
Net-(D502-DO): length 21.8
  Top w0.2: D502.4 83.95,104.41 v1(83.82,104.28) ; D503.3 68.24,106.39 68.76,106.91 68.76,107.2 v1(68.75,107.21)
  Bottom w0.25: D502.4 84.51,103.59 v1(83.82,104.28) 80.89,107.21 v1(68.75,107.21) D503.3
Net-(D503-DO): length 22.3
  Top w0.2: v1(49.59,105.36) 49.59,103.94 49.24,103.59 D504.3 ; v1(64.62,106.39) 65.44,107.21 D503.4
  Bottom w0.25: D504.3 v1(49.59,105.36) 50.62,106.39 v1(64.62,106.39) D503.4
Net-(D504-DO): length 23.2
  Top w0.2: D504.4 46.4,104.41 v1(45.58,103.59) ; D505.3 30.24,98.69 30.56,99.01 v1(30.56,100.43)
  Bottom w0.25: D505.3 v1(30.56,100.43) 33.72,103.59 v1(45.58,103.59) D504.4
Net-(D505-DO): length 21.2
  Top w0.2: v1(11.59,99.51) 11.59,99.14 11.14,98.69 D506.3 ; v1(26.47,98.69) 27.29,99.51 D505.4
  Bottom w0.25: D505.4 v1(26.47,98.69) 12.61,98.69 11.79,99.51 v1(11.59,99.51) D506.3
Net-(D506-DO): length 24.2
  Top w0.2: v1(7.96,97.81) 7.96,99.23 8.24,99.51 D506.4 ; v1(7.8,79.98) 8.23,80.41 D507.3
  Bottom w0.25: D506.4 v1(7.96,97.81) 7.5,97.35 7.5,80.29 v1(7.8,79.98) 8.19,79.59 D507.3
Net-(D507-DO): length 20.9
  Top w0.2: v1(26.32,79.87) 26.86,80.41 D508.3 ; v1(11.7,80.41) 10.88,79.59 D507.4
  Bottom w0.25: D507.4 v1(11.7,80.41) 25.77,80.41 v1(26.32,79.87) 26.59,79.59 D508.3
Net-(D508-DO): length 22.2
  Top w0.2: v1(30.76,80.41) 29.94,79.59 D508.4 ; D509.3 46.34,85.31 45.94,84.91 v1(45.94,84.49)
  Bottom w0.25: D508.4 v1(30.76,80.41) 40.52,80.41 44.6,84.49 v1(45.94,84.49) D509.3
Net-(D509-DO): length 22.3
  Top w0.2: D509.4 49.24,84.49 49.6,84.85 v1(49.6,85.31) ; D510.3 65.44,87.81 65.01,87.38 v1(65.01,85.96)
  Bottom w0.25: D510.3 v1(65.01,85.96) 64.36,85.31 v1(49.6,85.31) D509.4
Net-(D510-DO): length 21.9
  Top w0.2: D511.3 84.44,85.31 84,84.87 v1(84,84.49) ; D510.4 68.34,86.99 68.84,87.49 v1(68.84,87.81)
  Bottom w0.25: D511.3 v1(84,84.49) 76.2,84.49 72.88,87.81 v1(68.84,87.81) D510.4
Net-(D511-DO): length 21.9
  Top w0.2: D512.3 103.44,82.81 103.05,82.42 v1(103.05,81.99) ; v1(87.81,85.31) 87.81,84.96 87.34,84.49 D511.4
  Top w0.25: v1(94.49,82.9) 93.89,82.9 v1(92.29,84.5)
  Bottom w0.25: v1(94.49,82.9) 95.4,81.99 v1(103.05,81.99) D512.3 ; v1(92.29,84.5) 91.48,85.31 v1(87.81,85.31) D511.4
